# Altium PCB NURIP.PcbDoc (part 4 of 14)
Units mil, origin at the board's own origin, x right, y up, seen from the top; angles counter-clockwise.
Board outline 7096.64 x 6702.94 mil, 6 copper layers (L1, L2, L3, L4, L5, L6), stack 48.469 mil thick; 305 components, 426 nets, 2172 pads, 1040 vias.
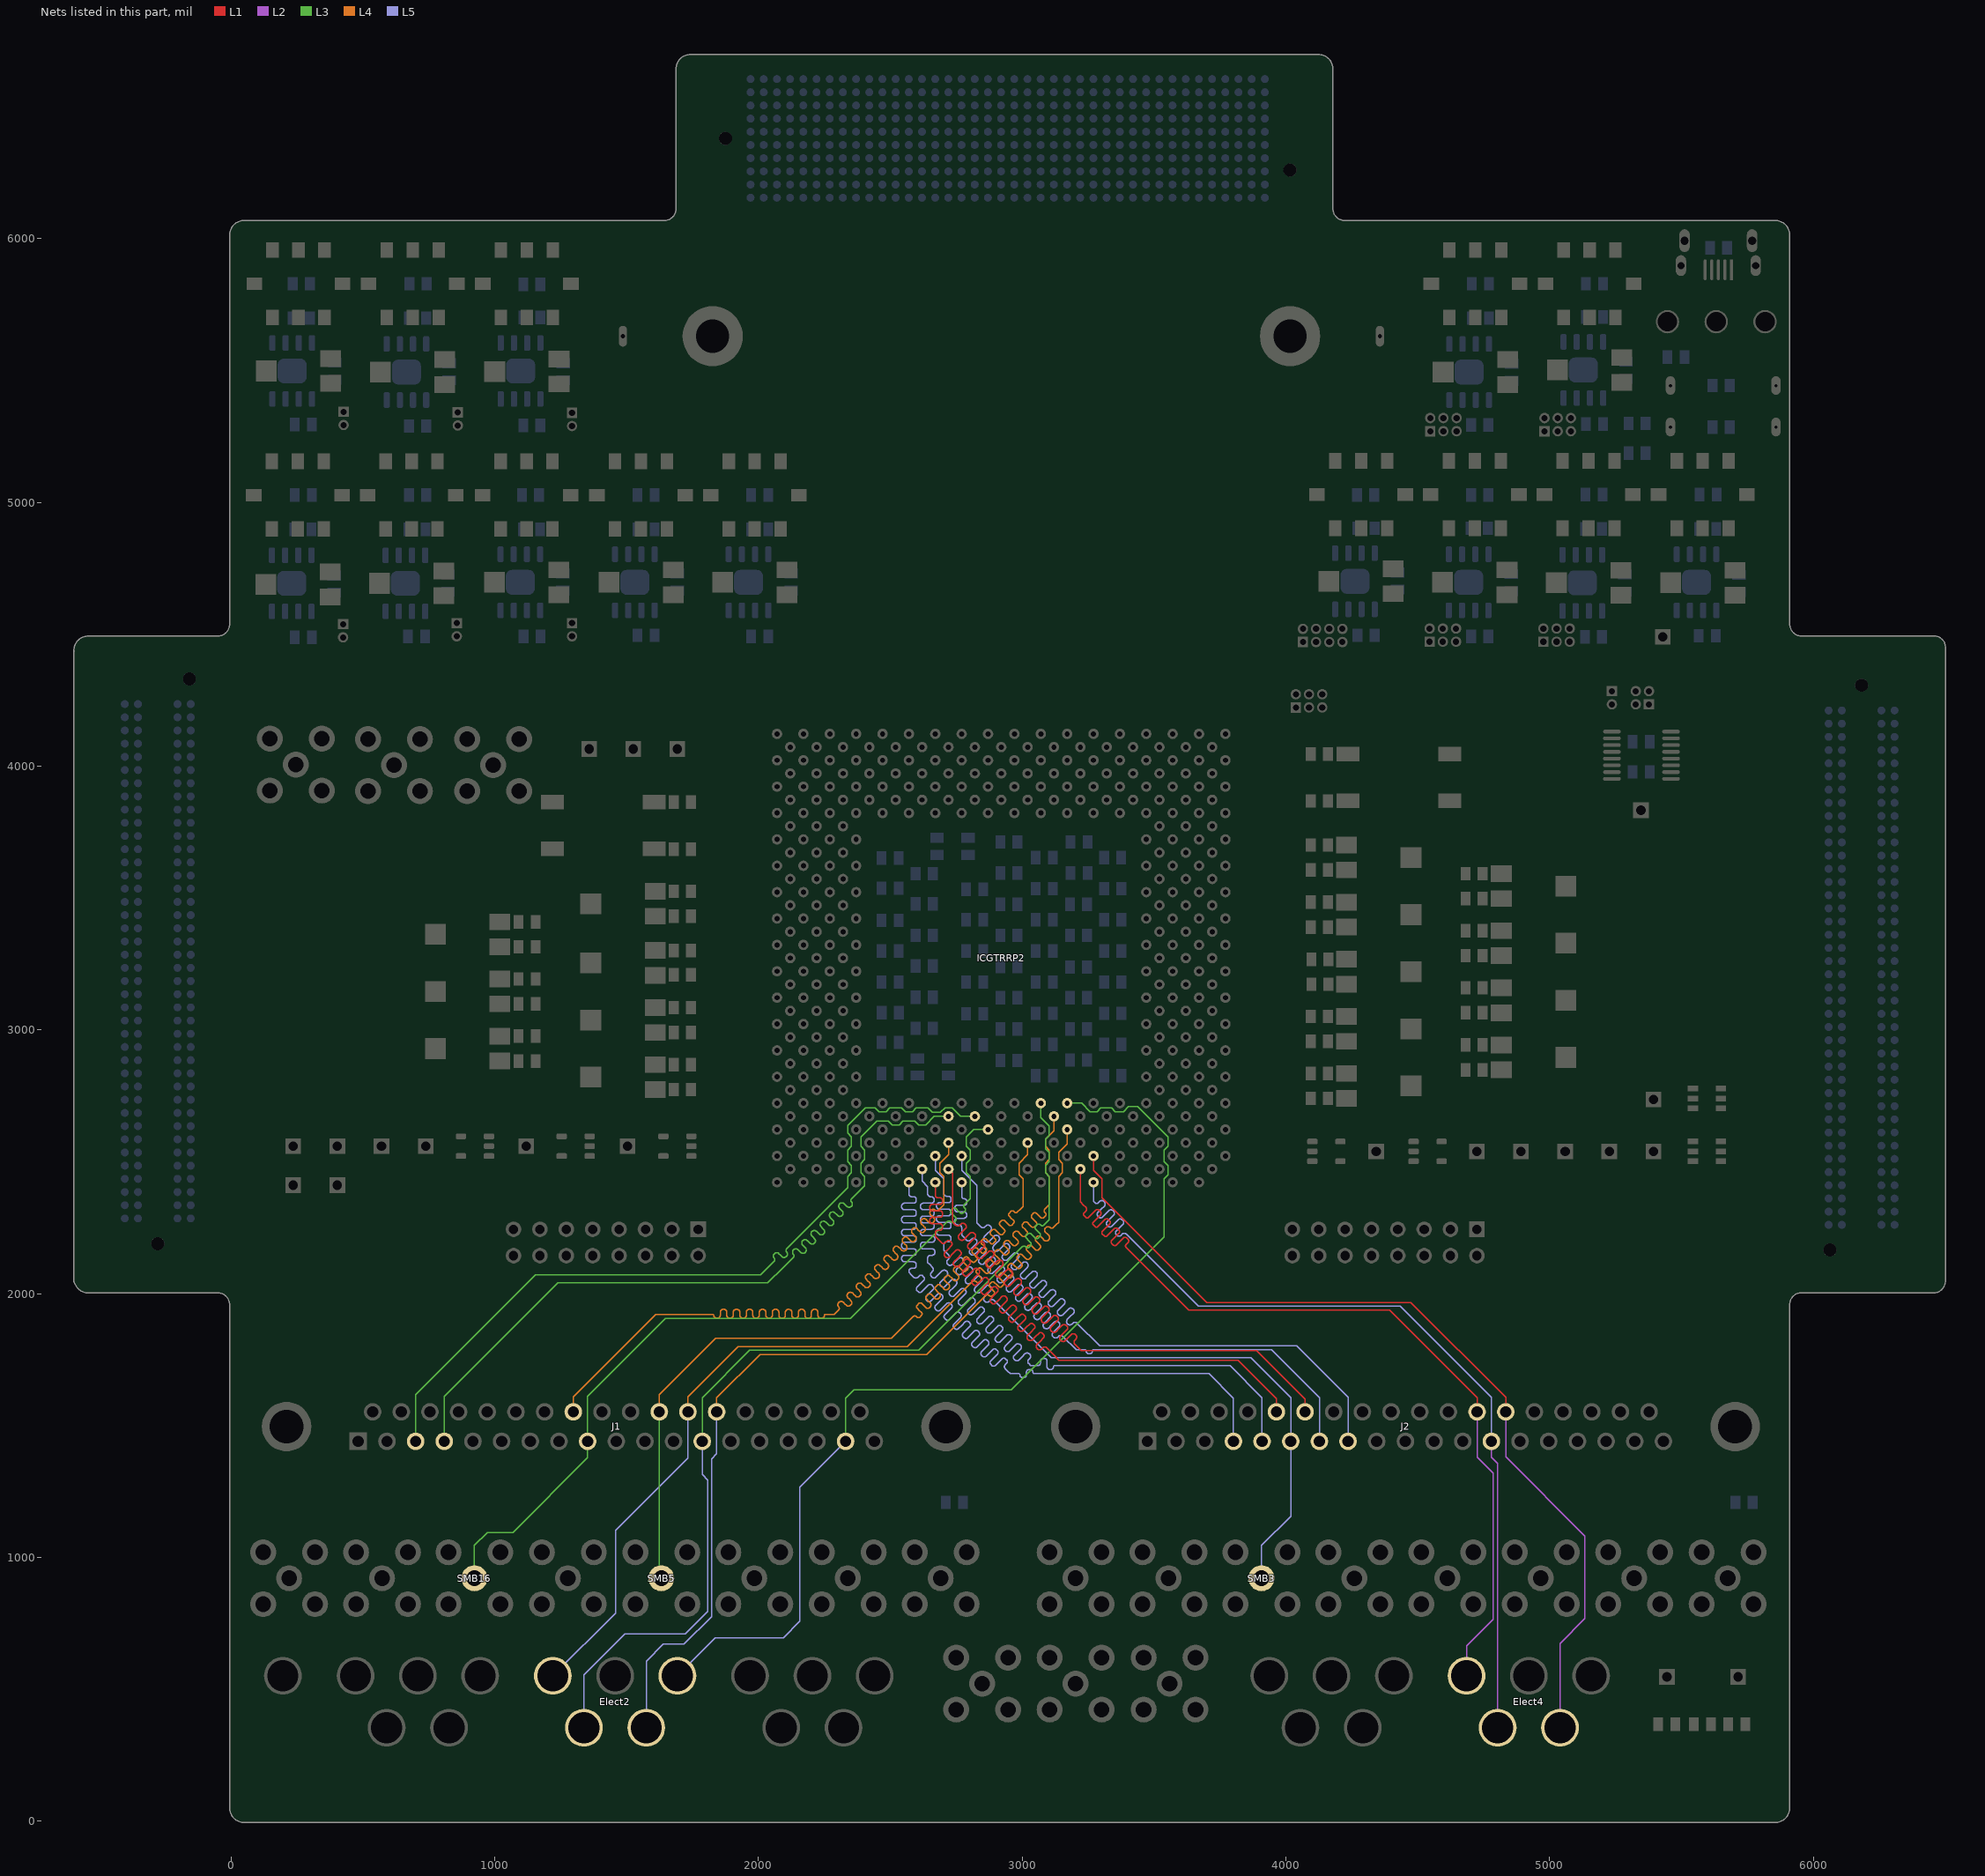
[diagram p8: the nets of this part, all layers, seen from the top]

## Via types
v1: diameter 20, hole 10, L1 to L6, tented both sides, 908 vias
v2: diameter 19.68, hole 7.87, L1 to L6, 126 vias
v3: diameter 196.85, hole 118.11, L1 to L6, 6 vias

## Nets (pads, with @x,y where several pads share a name; then routed paths per layer and width w, separated by ;. In a path a pad name is that pad's centre, name@x,y a point inside that pad or via, vN(x,y) a via of type N, cw(c..) or ccw(c..) an arc to the next point about the centre after c; other vN are vias at no path point) (continued)
1A8: Elect2.3 ICGTRRP2.F14 J1.31 | length 3779.7
  L4 w5: J1.31@1732.89,1551.97 1732.89,1608.88 1923.23,1799.21 2564.96,1799.21 2759.84,1994.09 2811.92,2046.17 cw(c2818.03,2040.06) 2824.14,2046.17 2825.84,2044.47 ccw(c2831.95,2050.58) 2838.06,2044.47 2843.3,2049.71 ccw(c2837.19,2055.82) 2843.3,2061.93 2835.49,2069.74 2827.68,2077.55 cw(c2833.79,2083.66) 2827.68,2089.77 2832.91,2095 cw(c2839.02,2088.89) 2845.13,2095 2852.94,2087.19 2860.75,2079.38 ccw(c2866.86,2085.49) 2872.97,2079.38 2878.21,2084.62 ccw(c2872.1,2090.73) 2878.21,2096.84 2870.4,2104.65 2862.59,2112.46 cw(c2868.7,2118.57) 2862.59,2124.68 2867.82,2129.91 cw(c2873.93,2123.8) 2880.04,2129.91 2887.85,2122.1 2895.66,2114.29 ccw(c2901.77,2120.4) 2907.88,2114.29 2913.12,2119.53 ccw(c2907.01,2125.64) 2913.12,2131.75 2905.31,2139.56 2897.5,2147.37 cw(c2903.61,2153.48) 2897.5,2159.59 2902.73,2164.82 cw(c2908.84,2158.71) 2914.95,2164.82 2922.76,2157.01 2930.57,2149.2 ccw(c2936.68,2155.31) 2942.79,2149.2 2948.03,2154.44 ccw(c2941.92,2160.55) 2948.03,2166.66 2940.22,2174.47 2932.41,2182.28 cw(c2938.51,2188.39) 2932.41,2194.5 2937.64,2199.73 cw(c2943.75,2193.62) 2949.86,2199.73 2957.67,2191.92 2965.48,2184.11 ccw(c2971.59,2190.22) 2977.7,2184.11 2982.94,2189.35 ccw(c2976.83,2195.46) 2982.94,2201.57 2975.13,2209.38 2967.32,2217.19 cw(c2973.42,2223.3) 2967.32,2229.41 2972.55,2234.64 cw(c2978.66,2228.53) 2984.77,2234.64 2992.58,2226.83 3000.39,2219.02 ccw(c3006.5,2225.13) 3012.61,2219.02 3017.85,2224.26 ccw(c3011.74,2230.37) 3017.85,2236.48 3010.04,2244.29 3002.23,2252.1 cw(c3008.33,2258.21) 3002.23,2264.32 3007.46,2269.55 cw(c3013.57,2263.44) 3019.68,2269.55 3027.49,2261.74 3035.3,2253.93 ccw(c3041.41,2260.04) 3047.52,2253.93 3052.76,2259.17 ccw(c3046.65,2265.28) 3052.76,2271.39 3044.95,2279.2 3037.14,2287.01 cw(c3043.24,2293.12) 3037.14,2299.23 3042.37,2304.46 cw(c3048.48,2298.35) 3054.59,2304.46 3062.4,2296.65 3070.21,2288.84 ccw(c3076.32,2294.95) 3082.43,2288.84 3087.67,2294.08 ccw(c3081.56,2300.19) 3087.67,2306.3 3085.96,2308 cw(c3092.07,2314.11) 3085.96,2320.22 3088.58,2322.83 3102.89,2337.15 3102.89,2444.5 3088.52,2458.87 3088.52,2494.5 3102.89,2508.87 3102.89,2544.5 3088.52,2558.87 3088.52,2585.54 3120.71,2617.72 ICGTRRP2.F14@3120.71,2672.2
  L5 w5: Elect2.3@1220.47,551.18 1458.66,789.37 1458.66,1102.36 1732.89,1376.59 J1.31@1732.89,1551.97
1A9: ICGTRRP2.D22 J1.27 | length 3022.1
  L4 w5: J1.27@1298.09,1551.97 1298.09,1609.11 1610.24,1921.26 1620.08,1921.26 1827.31,1921.26 cw(c1827.31,1917.84) 1830.73,1917.84 1830.73,1918.21 ; 1830.73,1918.23 ccw(c1841.84,1918.23) 1841.84,1907.12 1844.31,1907.12 ccw(c1844.31,1918.23) 1855.41,1918.23 1855.41,1921.26 1855.41,1929.45 cw(c1866.52,1929.45) 1866.52,1940.55 1868.99,1940.55 cw(c1868.99,1929.45) 1880.1,1929.45 1880.1,1921.26 1880.1,1918.23 ccw(c1891.21,1918.23) 1891.21,1907.12 1893.68,1907.12 ccw(c1893.68,1918.23) 1904.78,1918.23 1904.78,1921.26 1904.78,1929.45 cw(c1915.89,1929.45) 1915.89,1940.55 1918.36,1940.55 cw(c1918.36,1929.45) 1929.47,1929.45 1929.47,1921.26 1929.47,1918.23 ccw(c1940.58,1918.23) 1940.58,1907.12 1943.05,1907.12 ccw(c1943.05,1918.23) 1954.15,1918.23 1954.15,1921.26 1954.15,1929.45 cw(c1965.26,1929.45) 1965.26,1940.55 1967.73,1940.55 cw(c1967.73,1929.45) 1978.84,1929.45 1978.84,1921.26 1978.84,1918.23 ccw(c1989.95,1918.23) 1989.95,1907.12 1992.42,1907.12 ccw(c1992.42,1918.23) 2003.52,1918.23 2003.52,1921.26 2003.52,1929.45 cw(c2014.63,1929.45) 2014.63,1940.55 2017.1,1940.55 cw(c2017.1,1929.45) 2028.21,1929.45 2028.21,1921.26 2028.21,1918.23 ccw(c2039.32,1918.23) 2039.32,1907.12 2041.79,1907.12 ccw(c2041.79,1918.23) 2052.89,1918.23 2052.89,1921.26 2052.89,1929.45 cw(c2064,1929.45) 2064,1940.55 2066.47,1940.55 cw(c2066.47,1929.45) 2077.58,1929.45 2077.58,1921.26 2077.58,1918.23 ccw(c2088.69,1918.23) 2088.69,1907.12 2091.16,1907.12 ccw(c2091.16,1918.23) 2102.26,1918.23 2102.26,1921.26 2102.26,1929.45 cw(c2113.37,1929.45) 2113.37,1940.55 2115.84,1940.55 cw(c2115.84,1929.45) 2126.95,1929.45 2126.95,1921.26 2126.95,1918.23 ccw(c2138.06,1918.23) 2138.06,1907.12 2140.53,1907.12 ccw(c2140.53,1918.23) 2151.63,1918.23 2151.63,1921.26 2151.63,1929.45 cw(c2162.74,1929.45) 2162.74,1940.55 2165.21,1940.55 cw(c2165.21,1929.45) 2176.32,1929.45 2176.32,1921.26 2176.32,1918.23 ccw(c2187.43,1918.23) 2187.43,1907.12 2189.9,1907.12 ccw(c2189.9,1918.23) 2201,1918.23 2201,1921.26 2201,1929.45 cw(c2212.11,1929.45) 2212.11,1940.55 2214.58,1940.55 cw(c2214.58,1929.45) 2225.69,1929.45 2225.69,1921.26 2225.69,1917.84 ccw(c2236.8,1917.84) 2236.8,1906.73 2239.27,1906.73 ccw(c2239.27,1917.84) 2250.37,1917.84 cw(c2253.79,1917.84) 2253.79,1921.26 2275.06,1921.26 2287.4,1921.26 2292.7,1926.56 2304.09,1937.95 ccw(c2298.03,1944.02) 2304.09,1950.08 ; 2304.11,1950.07 2304.35,1949.82 cw(c2312.22,1957.66) 2304.37,1965.51 2306.11,1967.26 cw(c2313.97,1959.41) 2321.82,1967.26 2327.61,1961.47 2333.4,1955.68 ccw(c2341.26,1963.54) 2349.11,1955.68 2350.86,1957.43 ccw(c2343,1965.28) 2350.86,1973.14 2345.07,1978.93 2339.28,1984.71 cw(c2347.13,1992.57) 2339.28,2000.42 2341.02,2002.17 cw(c2348.88,1994.31) 2356.73,2002.17 2362.52,1996.38 2368.31,1990.59 ccw(c2376.17,1998.45) 2384.02,1990.59 2385.77,1992.34 ccw(c2377.91,2000.19) 2385.77,2008.05 2379.98,2013.84 2374.19,2019.62 cw(c2382.04,2027.48) 2374.19,2035.33 2375.93,2037.08 cw(c2383.79,2029.22) 2391.64,2037.08 2397.43,2031.29 2403.22,2025.5 ccw(c2411.08,2033.36) 2418.93,2025.5 2420.68,2027.25 ccw(c2412.82,2035.1) 2420.68,2042.96 2414.89,2048.75 2409.1,2054.53 cw(c2416.95,2062.39) 2409.1,2070.24 2410.84,2071.99 cw(c2418.7,2064.13) 2426.55,2071.99 2432.34,2066.2 2438.13,2060.41 ccw(c2445.99,2068.27) 2453.84,2060.41 2455.59,2062.16 ccw(c2447.73,2070.01) 2455.59,2077.87 2449.8,2083.66 2444.01,2089.44 cw(c2451.86,2097.3) 2444.01,2105.15 2445.75,2106.9 cw(c2453.61,2099.04) 2461.46,2106.9 2467.25,2101.11 2473.04,2095.32 ccw(c2480.9,2103.18) 2488.75,2095.32 2490.5,2097.07 ccw(c2482.64,2104.92) 2490.5,2112.78 2484.71,2118.57 2478.92,2124.35 cw(c2486.77,2132.21) 2478.92,2140.06 2480.66,2141.81 cw(c2488.52,2133.95) 2496.37,2141.81 2502.16,2136.02 2507.95,2130.23 ccw(c2515.81,2138.09) 2523.66,2130.23 2525.41,2131.98 ccw(c2517.55,2139.83) 2525.41,2147.69 2519.62,2153.48 2513.83,2159.26 cw(c2521.68,2167.12) 2513.83,2174.97 2515.57,2176.72 cw(c2523.43,2168.86) 2531.28,2176.72 2537.07,2170.93 2542.86,2165.14 ccw(c2550.72,2173) 2558.57,2165.14 2560.32,2166.89 ccw(c2552.46,2174.74) 2560.32,2182.6 2554.53,2188.39 2548.74,2194.17 cw(c2556.59,2202.03) 2548.74,2209.88 2550.48,2211.63 cw(c2558.34,2203.77) 2566.19,2211.63 2571.98,2205.84 2577.77,2200.05 ccw(c2585.63,2207.91) 2593.48,2200.05 2595.23,2201.8 ccw(c2587.37,2209.65) 2595.23,2217.51 2589.44,2223.29 2583.65,2229.08 cw(c2591.5,2236.94) 2583.65,2244.79 2585.39,2246.54 cw(c2593.25,2238.68) 2601.1,2246.54 2606.89,2240.75 2612.68,2234.96 ccw(c2620.54,2242.82) 2628.39,2234.96 2630.14,2236.71 ccw(c2622.28,2244.56) 2630.14,2252.42 2624.35,2258.2 2618.56,2263.99 cw(c2626.41,2271.85) 2618.56,2279.7 2620.3,2281.45 cw(c2628.16,2273.59) 2636.01,2281.45 2641.8,2275.66 2647.59,2269.87 ccw(c2655.44,2277.73) 2663.3,2269.87 2665.05,2271.62 ccw(c2657.19,2279.47) 2665.05,2287.33 2659.26,2293.11 2653.19,2299.18 cw(c2661.05,2307.03) 2653.19,2314.89 2654.94,2316.63 cw(c2662.79,2308.78) 2670.65,2316.63 ccw(c2676.71,2322.7) 2682.78,2316.63 2694.17,2328.02 2702.89,2336.75 2702.89,2444.5 2688.52,2458.87 2688.52,2494.5 2720.71,2526.69 ICGTRRP2.D22@2720.71,2572.2
1B0: ICGTRRP2.A25 J2.4 | length 3352.5
  L5 w5: ICGTRRP2.A25@2570.71,2422.2 2570.71,2379.92 2570.71,2377.45 ccw(c2580.58,2377.45) 2580.58,2367.58 2588.39,2367.58 cw(c2588.39,2357.7) 2598.27,2357.7 2598.27,2352.77 cw(c2588.39,2352.77) 2588.39,2342.89 2570.71,2342.89 2553.21,2342.89 ccw(c2553.21,2333.02) 2543.33,2333.02 2543.33,2328.08 ccw(c2553.21,2328.08) 2553.21,2318.21 2570.71,2318.21 2588.39,2318.21 cw(c2588.39,2308.33) 2598.27,2308.33 2598.27,2303.4 cw(c2588.39,2303.4) 2588.39,2293.52 2570.71,2293.52 2553.21,2293.52 ccw(c2553.21,2283.65) 2543.33,2283.65 2543.33,2278.71 ccw(c2553.21,2278.71) 2553.21,2268.84 2570.71,2268.84 2588.39,2268.84 cw(c2588.39,2258.96) 2598.27,2258.96 2598.27,2254.03 cw(c2588.39,2254.03) 2588.39,2244.15 2570.71,2244.15 2553.21,2244.15 ccw(c2553.21,2234.28) 2543.33,2234.28 2543.33,2229.34 ccw(c2553.21,2229.34) 2553.21,2219.47 2570.71,2219.47 2588.39,2219.47 cw(c2588.39,2209.59) 2598.27,2209.59 2598.27,2204.66 cw(c2588.39,2204.66) 2588.39,2194.78 2570.71,2194.78 2553.21,2194.78 ccw(c2553.21,2184.91) 2543.33,2184.91 2543.33,2179.97 ccw(c2553.21,2179.97) 2553.21,2170.1 2570.71,2170.1 2588.39,2170.1 cw(c2588.39,2160.22) 2598.27,2160.22 2598.27,2155.29 cw(c2588.39,2155.29) 2588.39,2145.41 2570.71,2145.41 2553.21,2145.41 ccw(c2553.21,2135.54) 2543.33,2135.54 2543.33,2130.6 ccw(c2553.21,2130.6) 2553.21,2120.73 2570.71,2120.73 2588.39,2120.73 cw(c2588.39,2110.85) 2598.27,2110.85 2598.27,2105.92 cw(c2588.39,2105.92) 2588.39,2096.04 2580.58,2096.04 ccw(c2580.58,2086.17) 2570.71,2086.17 2570.71,2080.87 2579.44,2072.14 2589.91,2061.67 ccw(c2596.89,2068.65) 2603.87,2061.67 2609.4,2067.19 cw(c2616.38,2060.21) 2623.36,2067.19 2626.85,2063.7 cw(c2619.87,2056.72) 2626.85,2049.73 2614.35,2037.23 2601.84,2024.72 ccw(c2608.82,2017.74) 2601.84,2010.76 2605.33,2007.27 ccw(c2612.31,2014.25) 2619.3,2007.27 2631.8,2019.77 2644.31,2032.28 cw(c2651.29,2025.3) 2658.27,2032.28 2661.76,2028.79 cw(c2654.78,2021.81) 2661.76,2014.82 2649.26,2002.32 2636.75,1989.81 ccw(c2643.73,1982.83) 2636.75,1975.85 2640.24,1972.36 ccw(c2647.22,1979.34) 2654.21,1972.36 2666.71,1984.86 2679.22,1997.37 cw(c2686.2,1990.39) 2693.18,1997.37 2696.67,1993.88 cw(c2689.69,1986.9) 2696.67,1979.91 2684.17,1967.41 2671.66,1954.9 ccw(c2678.64,1947.92) 2671.66,1940.94 2675.15,1937.45 ccw(c2682.13,1944.43) 2689.12,1937.45 2701.62,1949.95 2714.13,1962.46 cw(c2721.11,1955.48) 2728.09,1962.46 2731.58,1958.97 cw(c2724.6,1951.99) 2731.58,1945 2719.08,1932.5 2706.57,1919.99 ccw(c2713.55,1913.01) 2706.57,1906.03 2710.06,1902.54 ccw(c2717.04,1909.52) 2724.03,1902.54 2736.53,1915.04 2749.04,1927.55 cw(c2756.02,1920.57) 2763,1927.55 2766.49,1924.06 cw(c2759.51,1917.08) 2766.49,1910.09 2753.99,1897.59 2741.48,1885.08 ccw(c2748.46,1878.1) 2741.48,1871.12 2744.97,1867.63 ccw(c2751.95,1874.61) 2758.94,1867.63 2771.44,1880.13 2783.95,1892.64 cw(c2790.93,1885.66) 2797.91,1892.64 2801.4,1889.15 cw(c2794.42,1882.17) 2801.4,1875.18 2788.9,1862.68 2776.39,1850.17 ccw(c2783.37,1843.19) 2776.39,1836.21 2779.88,1832.72 ccw(c2786.86,1839.7) 2793.84,1832.72 2806.35,1845.22 2818.86,1857.73 cw(c2825.84,1850.75) 2832.82,1857.73 2836.31,1854.24 cw(c2829.33,1847.26) 2836.31,1840.27 2823.81,1827.77 2811.3,1815.26 ccw(c2818.28,1808.28) 2811.3,1801.3 2814.79,1797.81 ccw(c2821.77,1804.79) 2828.75,1797.81 2841.26,1810.31 2853.77,1822.82 cw(c2860.75,1815.84) 2867.73,1822.82 2871.22,1819.33 cw(c2864.24,1812.35) 2871.22,1805.37 2858.72,1792.86 2846.21,1780.35 ccw(c2853.19,1773.37) 2846.21,1766.39 2849.7,1762.9 ccw(c2856.68,1769.88) 2863.66,1762.9 2876.17,1775.4 2888.68,1787.91 cw(c2895.66,1780.93) 2902.64,1787.91 2906.13,1784.42 cw(c2899.15,1777.44) 2906.13,1770.46 2893.62,1757.95 2881.12,1745.44 ccw(c2888.1,1738.46) 2881.12,1731.48 2884.61,1727.99 ccw(c2891.59,1734.97) 2898.57,1727.99 2911.08,1740.49 2923.59,1753 cw(c2930.57,1746.02) 2937.55,1753 2941.04,1749.51 cw(c2934.06,1742.53) 2941.04,1735.55 2935.52,1730.02 ccw(c2942.5,1723.04) 2935.52,1716.06 2945.99,1705.59 2954.51,1697.07 2966.85,1697.07 2986.41,1697.07 cw(c2986.41,1691.94) 2991.54,1691.94 ccw(c3001.41,1691.94) 3001.41,1682.07 3006.35,1682.07 ccw(c3006.35,1691.94) 3016.22,1691.94 3016.22,1697.07 3016.22,1702.26 cw(c3026.09,1702.26) 3026.09,1712.13 3031.03,1712.13 cw(c3031.03,1702.26) 3040.91,1702.26 ccw(c3046.09,1702.26) 3046.09,1697.07 3366.14,1697.07 3708.44,1697.07 3801.06,1604.45 J2.4@3801.06,1440.16
1B1: ICGTRRP2.B24 J2.5 | length 3352.8
  L5 w5: ICGTRRP2.B24@2620.71,2472.2 2620.71,2426.69 2641.73,2405.66 2641.73,2379.92 2641.73,2378.69 ccw(c2652.84,2378.69) 2652.84,2367.58 2655.15,2367.58 cw(c2655.15,2356.47) 2666.26,2356.47 2666.26,2354 cw(c2655.15,2354) 2655.15,2342.89 2641.73,2342.89 2625.28,2342.89 ccw(c2625.28,2331.79) 2614.17,2331.79 2614.17,2329.32 ccw(c2625.28,2329.32) 2625.28,2318.21 2641.73,2318.21 2655.15,2318.21 cw(c2655.15,2307.1) 2666.26,2307.1 2666.26,2304.63 cw(c2655.15,2304.63) 2655.15,2293.52 2641.73,2293.52 2625.28,2293.52 ccw(c2625.28,2282.42) 2614.17,2282.42 2614.17,2279.95 ccw(c2625.28,2279.95) 2625.28,2268.84 2641.73,2268.84 2655.15,2268.84 cw(c2655.15,2257.73) 2666.26,2257.73 2666.26,2255.26 cw(c2655.15,2255.26) 2655.15,2244.15 2641.73,2244.15 2625.28,2244.15 ccw(c2625.28,2233.05) 2614.17,2233.05 2614.17,2230.58 ccw(c2625.28,2230.58) 2625.28,2219.47 2641.73,2219.47 2658.09,2219.47 cw(c2658.09,2208.36) 2669.2,2208.36 2669.2,2205.89 cw(c2658.09,2205.89) 2658.09,2194.78 2641.73,2194.78 2625.28,2194.78 ccw(c2625.28,2183.68) 2614.17,2183.68 2614.17,2181.21 ccw(c2625.28,2181.21) 2625.28,2170.1 2641.73,2170.1 2658.18,2170.1 cw(c2658.18,2158.99) 2669.29,2158.99 2669.29,2156.52 cw(c2658.18,2156.52) 2658.18,2145.41 2652.84,2145.41 ccw(c2652.84,2134.31) 2641.73,2134.31 2641.73,2120.73 2641.73,2118.11 2650.46,2109.38 2660.06,2099.78 cw(c2652.21,2091.93) 2660.06,2084.07 2656.28,2080.3 ccw(c2664.14,2072.44) 2656.28,2064.59 2658.03,2062.84 ccw(c2665.88,2070.7) 2673.74,2062.84 2685.37,2074.47 2697,2086.11 cw(c2704.86,2078.25) 2712.71,2086.11 2714.46,2084.36 cw(c2706.6,2076.51) 2714.46,2068.65 2702.82,2057.02 2691.19,2045.39 ccw(c2699.05,2037.53) 2691.19,2029.68 2692.94,2027.93 ccw(c2700.79,2035.79) 2708.65,2027.93 2720.28,2039.56 2731.91,2051.2 cw(c2739.77,2043.34) 2747.62,2051.2 2749.37,2049.45 cw(c2741.51,2041.6) 2749.37,2033.74 2737.73,2022.11 2726.1,2010.48 ccw(c2733.96,2002.62) 2726.1,1994.77 2727.85,1993.02 ccw(c2735.7,2000.88) 2743.56,1993.02 2755.19,2004.65 2766.82,2016.29 cw(c2774.68,2008.43) 2782.53,2016.29 2784.28,2014.54 cw(c2776.42,2006.69) 2784.28,1998.83 2772.64,1987.2 2761.01,1975.57 ccw(c2768.87,1967.71) 2761.01,1959.86 2762.76,1958.11 ccw(c2770.61,1965.97) 2778.47,1958.11 2790.1,1969.74 2801.73,1981.38 cw(c2809.59,1973.52) 2817.44,1981.38 2819.19,1979.63 cw(c2811.33,1971.78) 2819.19,1963.92 2807.55,1952.29 2795.92,1940.66 ccw(c2803.78,1932.8) 2795.92,1924.95 2797.67,1923.2 ccw(c2805.52,1931.06) 2813.38,1923.2 2825.01,1934.83 2836.64,1946.47 cw(c2844.5,1938.61) 2852.35,1946.47 2854.1,1944.72 cw(c2846.24,1936.87) 2854.1,1929.01 2842.46,1917.38 2830.83,1905.75 ccw(c2838.69,1897.89) 2830.83,1890.04 2832.58,1888.29 ccw(c2840.43,1896.15) 2848.29,1888.29 2859.92,1899.92 2871.55,1911.56 cw(c2879.41,1903.7) 2887.26,1911.56 2889.01,1909.81 cw(c2881.15,1901.96) 2889.01,1894.1 2877.37,1882.47 2865.74,1870.84 ccw(c2873.6,1862.98) 2865.74,1855.13 2867.49,1853.38 ccw(c2875.34,1861.24) 2883.2,1853.38 2894.83,1865.01 2906.46,1876.65 cw(c2914.32,1868.79) 2922.17,1876.65 2923.92,1874.9 cw(c2916.06,1867.05) 2923.92,1859.19 2912.28,1847.56 2900.65,1835.93 ccw(c2908.51,1828.07) 2900.65,1820.22 2902.4,1818.47 ccw(c2910.25,1826.33) 2918.11,1818.47 2929.74,1830.1 2941.37,1841.74 cw(c2949.23,1833.88) 2957.08,1841.74 2958.83,1839.99 cw(c2950.97,1832.14) 2958.83,1824.28 2947.19,1812.65 2935.56,1801.02 ccw(c2943.42,1793.16) 2935.56,1785.31 2937.31,1783.56 ccw(c2945.16,1791.42) 2953.02,1783.56 2964.65,1795.19 2976.28,1806.83 cw(c2984.14,1798.97) 2991.99,1806.83 2993.74,1805.08 cw(c2985.88,1797.23) 2993.74,1789.37 2982.1,1777.74 2970.47,1766.11 ccw(c2978.33,1758.25) 2970.47,1750.4 2972.22,1748.65 ccw(c2980.07,1756.51) 2987.93,1748.65 2999.56,1760.28 3011.19,1771.92 cw(c3019.05,1764.06) 3026.9,1771.92 3028.65,1770.17 cw(c3020.79,1762.32) 3028.65,1754.46 3024.87,1750.68 ccw(c3032.72,1742.83) 3024.87,1734.97 3032.78,1727.07 3045.12,1727.07 3058.69,1727.07 ccw(c3058.69,1738.18) 3069.8,1738.18 3069.8,1743.52 cw(c3080.91,1743.52) 3080.91,1754.63 3083.38,1754.63 cw(c3083.38,1743.52) 3094.49,1743.52 3094.49,1727.07 3094.49,1723.17 ccw(c3105.6,1723.17) 3105.6,1712.07 3108.06,1712.07 ccw(c3108.06,1723.17) 3119.17,1723.17 cw(c3123.07,1723.17) 3123.07,1727.07 3135.83,1727.07 3788.68,1727.07 3909.76,1605.98 J2.5@3909.76,1440.16
1B2: ICGTRRP2.C23 J2.6 SMB3.1 | length 3356.2
  L5 w5: ICGTRRP2.C23@2670.71,2522.2 2670.71,2467.72 2702.89,2435.54 2702.89,2408.87 2702.76,2408.74 2702.76,2381.89 2702.76,2380.66 ccw(c2713.86,2380.66) 2713.86,2369.55 2719.14,2369.55 cw(c2719.14,2358.44) 2730.25,2358.44 2730.25,2355.97 cw(c2719.14,2355.97) 2719.14,2344.86 2702.76,2344.86 2686.37,2344.86 ccw(c2686.37,2333.75) 2675.26,2333.75 2675.26,2331.29 ccw(c2686.37,2331.29) 2686.37,2320.18 2702.76,2320.18 2719.14,2320.18 cw(c2719.14,2309.07) 2730.25,2309.07 2730.25,2306.6 cw(c2719.14,2306.6) 2719.14,2295.49 2702.76,2295.49 2686.37,2295.49 ccw(c2686.37,2284.38) 2675.26,2284.38 2675.26,2281.92 ccw(c2686.37,2281.92) 2686.37,2270.81 2702.76,2270.81 2719.14,2270.81 cw(c2719.14,2259.7) 2730.25,2259.7 2730.25,2257.23 cw(c2719.14,2257.23) 2719.14,2246.12 2702.76,2246.12 2686.37,2246.12 ccw(c2686.37,2235.01) 2675.26,2235.01 2675.26,2232.55 ccw(c2686.37,2232.55) 2686.37,2221.44 2702.76,2221.44 2719.14,2221.44 cw(c2719.14,2210.33) 2730.25,2210.33 2730.25,2207.86 cw(c2719.14,2207.86) 2719.14,2196.75 2713.86,2196.75 ccw(c2713.86,2185.64) 2702.76,2185.64 2702.76,2172.07 2702.76,2165.35 2711.48,2156.63 2721.08,2147.03 cw(c2713.23,2139.17) 2721.08,2131.32 2717.35,2127.59 ccw(c2725.21,2119.73) 2717.35,2111.88 2719.1,2110.13 ccw(c2726.95,2117.99) 2734.81,2110.13 2746.39,2121.72 2757.98,2133.3 cw(c2765.83,2125.45) 2773.69,2133.3 2775.43,2131.56 cw(c2767.58,2123.7) 2775.43,2115.85 2763.85,2104.26 2752.26,2092.68 ccw(c2760.12,2084.82) 2752.26,2076.97 2754.01,2075.22 ccw(c2761.86,2083.08) 2769.72,2075.22 2781.3,2086.81 2792.89,2098.39 cw(c2800.74,2090.54) 2808.6,2098.39 2810.34,2096.65 cw(c2802.49,2088.79) 2810.34,2080.94 2798.76,2069.35 2787.17,2057.77 ccw(c2795.03,2049.91) 2787.17,2042.06 2788.92,2040.31 ccw(c2796.77,2048.17) 2804.63,2040.31 2816.21,2051.9 2827.8,2063.48 cw(c2835.65,2055.63) 2843.51,2063.48 2845.25,2061.74 cw(c2837.4,2053.88) 2845.25,2046.03 2833.67,2034.44 2822.08,2022.86 ccw(c2829.94,2015) 2822.08,2007.15 2823.83,2005.4 ccw(c2831.68,2013.26) 2839.54,2005.4 2851.12,2016.99 2862.71,2028.57 cw(c2870.56,2020.72) 2878.42,2028.57 2880.16,2026.83 cw(c2872.31,2018.97) 2880.16,2011.12 2868.58,1999.53 2856.99,1987.95 ccw(c2864.85,1980.09) 2856.99,1972.24 2858.74,1970.49 ccw(c2866.59,1978.35) 2874.45,1970.49 2878.18,1974.22 cw(c2886.03,1966.37) 2893.89,1974.22 3016.73,1851.38 3111.04,1757.07 3866.95,1757.07 4018.46,1605.55 J2.6@4018.46,1440.16 4018.46,1156.26 3907.48,1045.28 SMB3.1@3907.48,921.26